# Altium PCB F4AIR.PcbDoc (continued)
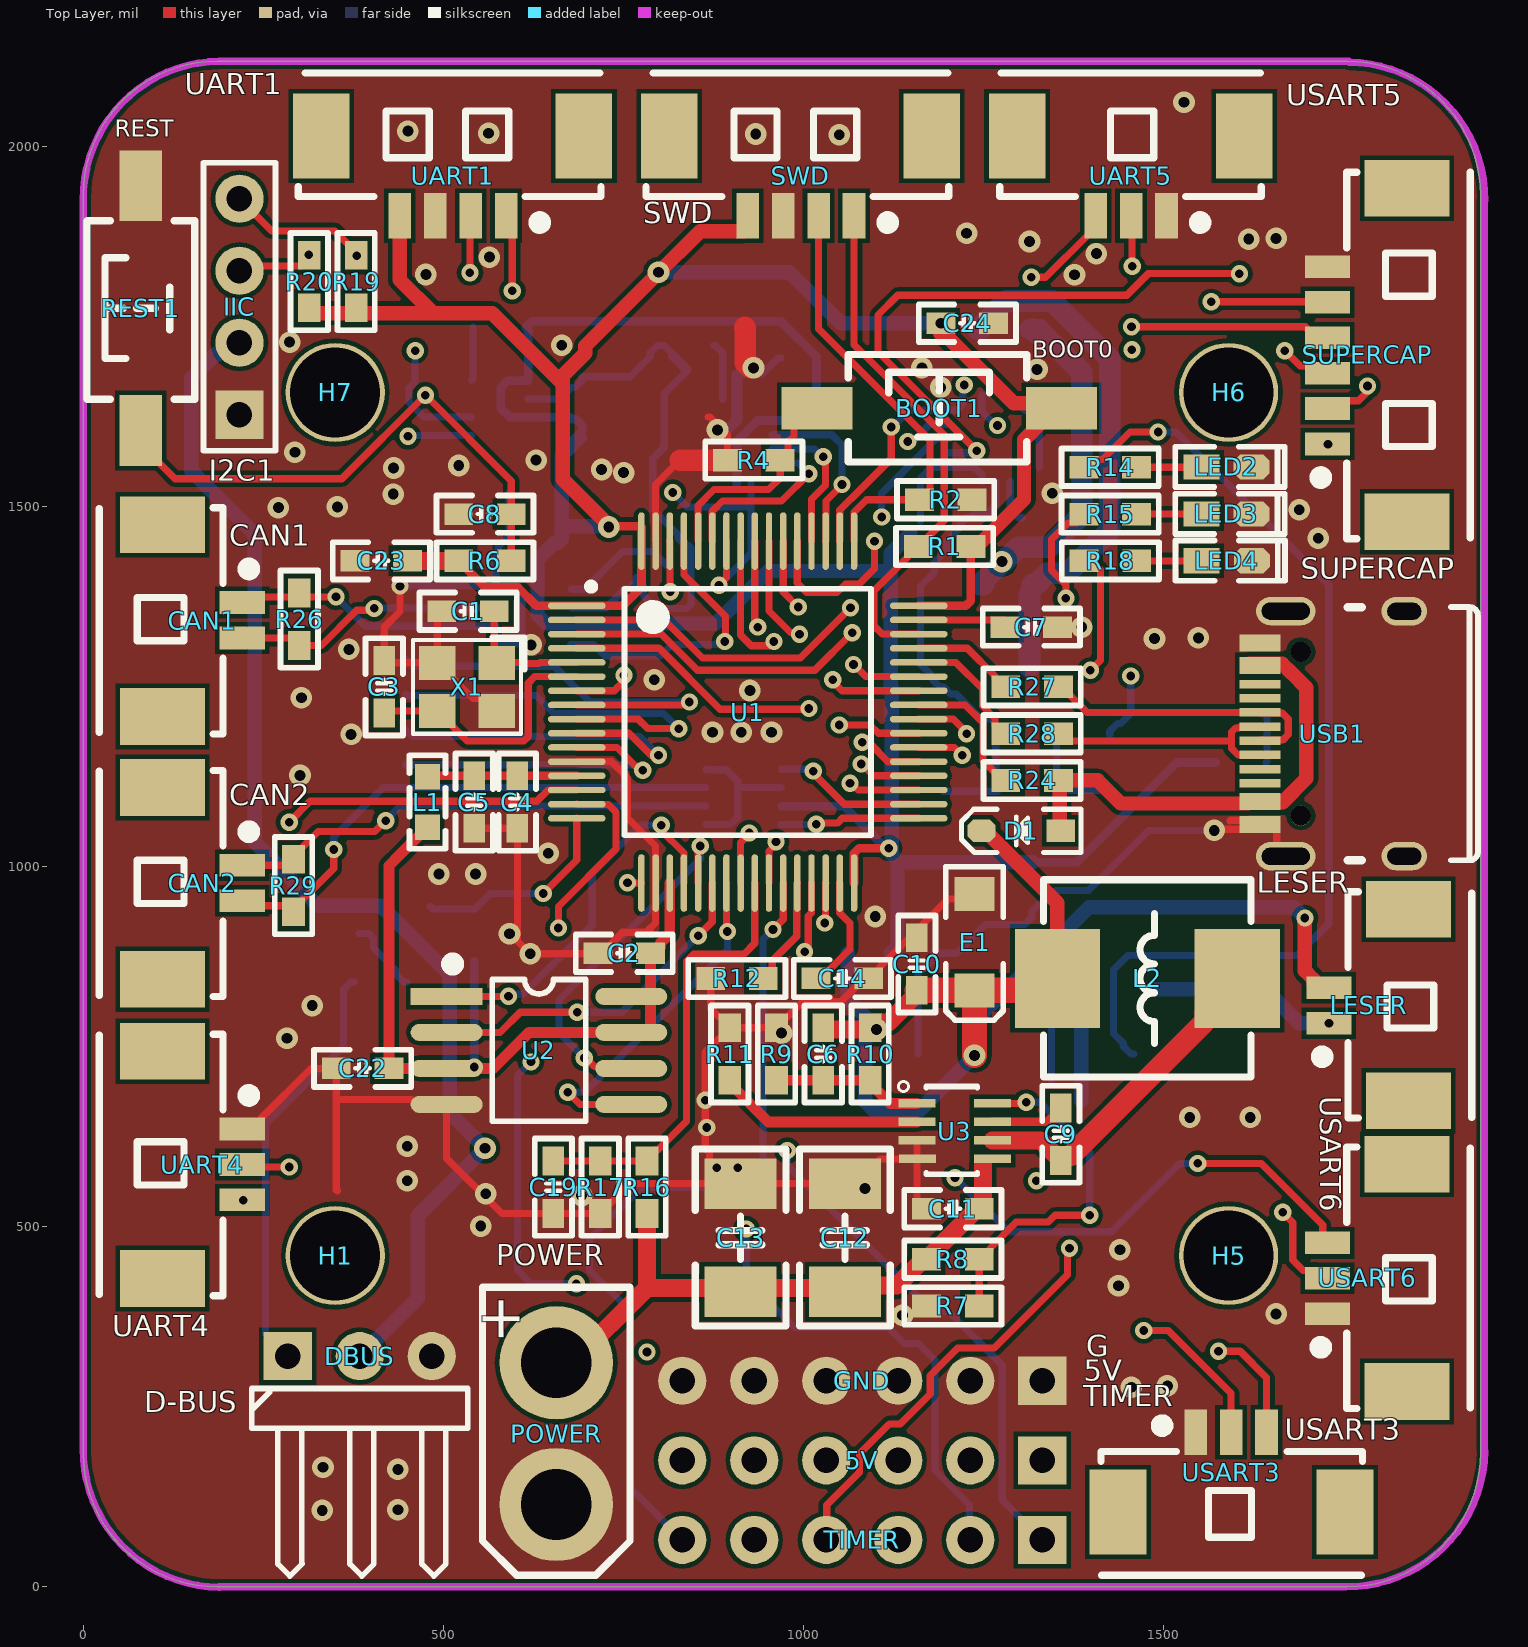
[diagram p0: Top Layer view]
## Footprints (in the part's own frame and the unit in brackets; to place one, negate y for a bottom-side part, rotate by r counter-clockwise, add the part's x,y. Pads: shape width x height; smd on the part's side, far side on the other; paste and mask are expansions set on the pad) (continued)
  silkscreen extent -3.2,-2.5 1.65,3.2, body extent -3,-2.5 3,2.5, height 1.9
SOT23-3M [mm] "3x1.3x1mm(长宽高)"
  rect 0.6x1.4 smd: 1(-0.95,0) 2(0.95,0) 3(0,2.514)
  silkscreen extent -1.78,-0.63 1.5,1.97, body extent -1.5,0.07 1.5,2.47, height 1.05
SOT23-8 [mm]
  rect 0.3x1.3 smd: 1(0,0) 2(-0.652,0) 3(-1.304,0) 4(-1.956,-0.025) 5(-1.956,-2.667) 6(-1.304,-2.667) 7(-0.652,-2.667) 8(0,-2.667)
  silkscreen extent -2.5,-2.13 0.78,0.65, body extent -2.42,-2.7 0.48,0.1, height 1
SOT-89 [mil]
  rect 40x55 smd: 1(-61.82,-0.57) 2(-1.82,-0.57) 3(58.18,-0.57)
  rect 86.61x86.61 smd: 2(-2.76,137.22)
  silkscreen extent -82,39 78,169, body extent -90,-6 87,163, height 59
"TSW SMD-3*6*5" [mm] "3*6*5mm"
  rect 2.5x1.5 smd: 1(-4.318,0) 2(4.318,0)
  silkscreen extent -3.21,-1.9 3.09,1.9, body extent -4.6,-1.75 4.6,1.75, height 5.1
Type-C_16p [mm] "Type-C 母座16p 4"
  oval 1x2.1 hole 0.6 slot 1.7 at 90 deg: 0(-4.325,4.18) 0(4.325,4.18)
  oval 1x1.6 hole 0.6 slot 1.2 at 90 deg: 0(-4.32,0) 0(4.32,0)
  round 0.711 hole 0.711: 1(-2.89,3.65) 1(2.89,3.65)
  rect 0.3x1.45 smd: A1(-3.05,5.095) A4(-2.25,5.095) A5(-1.25,5.095) A6(-0.25,5.095) A7(0.25,5.095) A8(1.25,5.095) A9(2.55,5.095) A12(3.35,5.095) B1(3.05,5.095) B4(2.25,5.095) B5(1.75,5.095) B6(0.75,5.095) B7(-0.75,5.095) B8(-1.75,5.095) B9(-2.55,5.095) B12(-3.35,5.095)
  silkscreen extent -4.47,-2.6 4.47,2, body extent -4.48,-2.64 4.47,5.11, height 3.27
XT30-L [mm]
  round 4 hole 2.5: 1(0,0) 2(5,0)
  silkscreen extent -2.67,-2.6 7.49,2.6

## Part data
5V GND TIMER: library part "Header 6", "6P接插件", BOM名称=6P接插件, 学习资源=www.ooocke.com, 版权归属=源创客
BOOT1 REST1: library part "TSW 3x6", "3x6轻触开关", BOM名称=3x6轻触开关, 学习资源=www.ooocke.com, 版权归属=源创客
C1 C2 C3 C4 C5 C6 C7 C8 C9 C10 C11 C12 C13 C14 C15 C16 C17 C18 C19 C20 C21 C22 C23 C24 C25 C26 C27 C28 C29 C30 C31 C32 C33: library part C, "无极性贴片电容", BOM名称=无极性贴片电容, 学习资源=www.ooocke.com, 版权归属=源创客
D1: library part SS54, "肖特基二极管", BOM名称=肖特基二极管, 学习资源=www.ooocke.com, 属性=40V/3A, 版权归属=源创客
E1: library part C-CD, "贴片钽电容", BOM名称=贴片钽电容, 学习资源=www.ooocke.com, 版权归属=源创客
H1 H5 H6 H7: library part M3, "铜柱孔", BOM名称=铜柱孔, 学习资源=www.ooocke.com, 版权归属=源创客
IIC UART1: library part "HDR 2.54 -4P_1", "HDR 2.54 -4P"
L1: library part L, "小功率贴片电感", BOM名称=小功率贴片电感, 学习资源=www.ooocke.com, 版权归属=源创客
L2: library part L-CD, "贴片功率电感", BOM名称=功率电感, 学习资源=www.ooocke.com, 版权归属=源创客
LED1 LED2 LED3 LED4: library part LED-SMD, "贴片LED", BOM名称=贴片LED, 学习资源=www.ooocke.com, 版权归属=源创客
POWER: library part PAD-2P
Q1 Q2: library part 8050-SMD, "高频放大-NPN型"
R1 R2 R3 R4 R5 R6 R7 R8 R9 R10 R11 R12 R13 R14 R15 R16 R17 R18 R19 R20 R23 R24 R25 R26 R27 R28 R29 R30 R31 R32 R33: library part R, "贴片电阻", BOM名称=贴片电阻, 学习资源=www.ooocke.com, 版权归属=源创客
SUPERCAP: library part "HDR 2.54 -8P", "HDR 2.54 -8P"
SWD: library part "MX 1.25 -4P", "MX 1.25 -4P"
U3: "DCDC降压芯片"
U4: library part AMS1117, "三端稳压芯片", BOM名称=稳压芯片, 学习资源=www.ooocke.com, 版权归属=源创客
U5: "三轴电子罗盘"
U7: library part SPL06
U8 U9: "CAN芯片"
UART4 UART5 USART3 USART6: library part "HDR 2.54 -3P", "HDR 2.54 -3P"
X1: library part XTAL-4P, "4脚无源晶振", BOM名称=4脚无源晶振, 学习资源=www.ooocke.com, 版权归属=源创客

## Via types
v1: diameter 24, hole 12, Top Layer to Bottom Layer, tented both sides, 102 vias
v2: diameter 30, hole 15, Top Layer to Bottom Layer, tented both sides, 80 vias

## Nets (pads, with @x,y where several pads share a name; then routed paths per layer and width w, separated by ;. In a path a pad name is that pad's centre, name@x,y a point inside that pad or via, vN(x,y) a via of type N, cw(c..) or ccw(c..) an arc to the next point about the centre after c; other vN are vias at no path point)
3.3V: BOOT1.2 C2.1 C17.2 C18.1 C20.1 C21.1 C22.1 C23.1 C24.1 C26.2 C27.2 C28.2 C29.2 C30.2 C31.2 C32.2 L1.1 LED1.1 R1.1 R3.2 R6.2 R19.1 R20.2 SWD.4 U1.1 U1.19 U1.32 U1.48 U1.64 U2.3 U2.7 U2.8 U4.2 U5.2 U5.13 U6.1 U6.16 U7.6 U7.8 U8.3 U9.3 UART1.4 | length 7819.6
  Top Layer w12: R6.2 525.75,1425 535.5,1415.25 535.5,1411 558.5,1388 604,1388 629.36,1362.64 U1.1 749.64,1362.64 775.36,1388.36 U1.64 775.36,1471.75 773.86,1473.25 731.26,1473.25 v2(730,1472) ; U1.32 1070.64,1018.97 1077.67,1026 v1(1119,1026) ; U1.48 1225.97,1362.64 1233,1369.67 R1.1 1237.25,1449.25 R1.1@1245.58,1449.25 ; BOOT1.2@1349.32,1633.68 BOOT1.2@1358,1625
  Top Layer w15: L1.1 440,1017 424.5,1001.5 C22.1 U2.3 569,720 619,770 U2.7 782.63,770 788,775.37 C2.1 793,880 802,889 802,894 814.73,906.73 U1.19
  Top Layer w20: R20.2 314,1774.75 319.75,1769 486,1769 ; UART1.4 439.72,1815.28 486,1769 ; v2@731.26,1473.25 666,1538.51 666,1671 ; SWD.4 923.03,1888.6 917.28,1882.85 856.85,1882.85 794,1820 697.5,1723.5 697.5,1713.5 666,1682 666,1671 ; C24.1@1190.5,1741 1191.5,1740 ; 1196.5,1740 1292.5,1644 1328.21,1644 1338.53,1633.68 BOOT1.2@1349.32,1633.68 ; R1.1@1245.58,1449.25 1306.71,1510.38 1306.71,1593.18 1318.79,1605.26 1318.79,1605.47 1338.32,1625 BOOT1.2@1338.53,1625 ; 486,1769 568,1769 666,1671
  Top Layer w25: C23.1@447,1427.5 C23.1@449.5,1425 ; C23.1 C23.1@449.5,1425 ; R6.2 C23.1@449.5,1425
  Power w20: v1(543,722) 543.77,722.77 551.77,722.77 791,962 987,962 1051,1026 v1(1119,1026)
  Bottom Layer w10: C26.2 1163,1540 1178,1555 1189.13,1555 1189.21,1554.92 1202.92,1554.92 U6.1 1238.16,1554.84 1247.25,1545.75 1248.24,1545.75 1248.32,1545.67 U6.16
  Bottom Layer w12: v1(543,722) R3.2 ; C28.2 693,1612.91 684,1621.91 679,1621.91 676.5,1624.41 U7.6 592.59,1624.41 580,1637 580,1666 589.29,1675.29 617.7,1675.29 U7.8 618,1745.91 C30.2 623.09,1758 969,1758 1018.5,1708.5 C32.2 1013.5,1658 1004.5,1649 1004.5,1644 980.49,1619.98 936.71,1619.98 907.96,1591.23 U5.2 ; U9.3 1045.67,1084.33 1046,1084 1056.56,1084 U4.2@1116.78,1023.78 ; C18.1 1380.5,1006.5 1519,1145 LED1.1
  Bottom Layer w20: C28.2@690,1597 664.5,1571.5 C29.2 664.5,1473 ; v2(730,1472) 729,1473 664.5,1473 ; v2(799,1826) 981,1826 1052,1755 v2(1191.5,1755) ; U4.2@1121.92,879.9 1131,888.98 1131,1009.56 1122.86,1017.69 1122.86,1248.64 C21.1 1121.5,1411 ; U4.2@1134.06,1006.5 C18.1 ; C26.2@1149,1463 1121.5,1435.5 1121.5,1411 ; 664.5,1473 C20.1 659.5,1450 654.5,1450 631,1426.5 631,1349.72 642.72,1338 878.43,1338 951.43,1411 1121.5,1411
5V: 5V.1 5V.2 5V.3 5V.4 5V.5 5V.6 C6.1 C10.1 C15.2 C16.1 D1.2 DBUS.2 E1.1 IIC.2 L2.2 LESER.2 R10.1 R32.1 R33.1 U4.3 | length 6406.3
  Top Layer w12: D1.2 D1.2@1253,1050
  Top Layer w20: D1.2@1253,1050 1353,950 L2.2 ; v1(1697,929) 1697,855.45 1708.85,843.6 1708.85,837.81 1714.6,832.06 LESER.2
  Top Layer w25: C6.1 1030.5,774 R10.1@1099.75,774 ; v2(1102,774) R10.1@1099.75,774 ; C10.1 1155.5,826 1155.5,821 1118.5,784 1096.25,784 1093,780.75 R10.1@1099.75,774 ; L2.2@1336.5,828.5 L2.2
  Top Layer w35: C10.1 L2.2@1336.5,828.5 ; v2(1238,738) E1.1
  Singal w20: v2(558,609) 700,609 855,454 ; v1(783,326) 783,382 855,454 ; v2(1102,774) 1102,630 926,454 855,454
  Power w20: v1(783,326) 782.54,325.54 782.54,224.96 5V.6 5V.5 5V.4 5V.3 5V.2 5V.1
  Power w30: v2(1238,738) 1238,1062 1276,1100 v2(1276,1424)
  Bottom Layer w20: IIC.2 204.3,1728 188.42,1712.12 183.12,1712.12 150,1679 150,1550 238,1462 238,1034 326,946 413,946 509,850 509,658 v2(558,609) 464.5,515.5 464.5,400.83 DBUS.2 ; U4.3 1061.92,816.08 C15.2 1086.5,791.5 1086.5,673.72 1098.22,662 1162,662 v2(1238,738) 1238,785 1397,944 1682,944 v1(1697,929)
  Bottom Layer w30: R32.1 1249.75,1392 1250.5,1392.75 1250.5,1397 v2@1277.5,1424 ; v2(1276,1424) v2@1277.5,1424 ; v2@1284.25,1430.75 v2@1277.5,1424 ; R33.1 1319.75,1747 R33.1@1329.5,1737.25 ; R33.1@1328.25,1745.75 1387,1687 1387,1489 1342,1444 1299,1444 1279,1424 v2@1277.5,1424
ADC15: C19.1 R16.2 R17.1 U1.25 | length 621.6
  Top Layer w10: C19.1 R17.1 R16.2 783,595.75 793.75,606.5 798,606.5 838,646.5 838,869.14 847.86,879 918,879 932.84,893.84 U1.25
BAT: C11.1 C12.2 C13.2 POWER.1 R8.1 R16.1 U3.5 | length 854.7
  Top Layer w25: POWER.1 679.06,311.06 783,415 ; R16.1 783,415 ; 1249.5,587.33 1249.5,525 1239.5,525 1237,522.5 1237,520.5 1179,462.5 1179,458.25 1175.75,455 R8.1 1168.25,451.75 1164,451.75 1130.48,418.23 1066.23,418.23 C12.2 1053,415 783,415
BOOT0: BOOT1.1 R4.1 U1.60 | length 295.6
  Top Layer w10: U1.60 854.1,1502.1 876,1524 952,1524 968.11,1540.11 968.11,1560.86 978.75,1571.5 978.75,1589.89 987.19,1598.33 987.19,1612.47 999.72,1625 BOOT1.1@1018,1625
CAN1-RX: U1.61 U8.4 | length 392.6
  Top Layer w10: U1.61 834.42,1405.58 892,1348 892,1314 v1(891.04,1313)
  Bottom Layer w10: U8.4 677.19,1308.48 709.52,1308.48 725,1293 802,1293 817.79,1308.79 877.14,1308.79 877.68,1309.32 887.36,1309.32 v1(891.04,1313)
CAN1-TX: U1.62 U8.1 | length 272.3
  Top Layer w10: U1.62 815.13,1452.12 815.13,1382.4 v1(815.53,1382)
  Bottom Layer w10: U8.1 697.69,1385.67 698.59,1386.57 698.59,1387.59 749,1438 791,1438 815,1414 815,1382.53 v1(815.53,1382)
CAN1_H: CAN1.2 R26.2 U8.7 | length 378.4
  Top Layer w10: CAN1.2 289.56,1317.94 R26.2 330.75,1307.5 379.57,1356.32 401.32,1356.32 v1(404,1359)
  Bottom Layer w10: v1(404,1359) 404.5,1359.5 572.5,1359.5 U8.7
CAN1_L: CAN1.1 R26.1 U8.6 | length 372.4
  Top Layer w10: CAN1.1 228.5,1375 v1(351,1375)
  Bottom Layer w10: v1(351,1375) 391.67,1334.33 U8.6
CAN2-RX: U1.33 U9.4 | length 189.7
  Top Layer w10: v1@1022.68,1060.68 1047.68,1060.68 1054.36,1067.36 U1.33
  Bottom Layer w10: U9.4 1017.67,1058.67 v1(1018,1059)
CAN2-TX: U1.34 U9.1 | length 220.2
  Top Layer w10: v1(1014,1133) 1019,1133 1019.68,1132.32 1019.68,1124.32 1056.95,1087.05 U1.34
  Bottom Layer w10: U9.1 1016.33,1135.67 1014,1133.33 v1(1014,1133)
CAN2_H: CAN2.2 R29.2 U9.7 | length 750.3
  Top Layer w10: CAN2.2 227.59,946 283.5,946 R29.2 292,941.75 348,997.75 v1(348,1024)
  Bottom Layer w10: v1(348,1024) 348,1041.53 416.47,1110 U9.7
CAN2_L: CAN2.1 R29.1 U9.6 | length 680.9
  Top Layer w10: CAN2.1 283.65,1002.15 R29.1 292,1014.75 326.25,1049 405,1049 v1(420,1064)
  Bottom Layer w10: v1(420,1064) 440.33,1084.33 U9.6
CS-FLASH: U1.20 U2.1 | length 532.6
  Top Layer w10: U2.1 590.41,820 v1(590.71,820.29) ; v1(803,1058) 803,1050.47 834.42,1019.06 U1.20
  Bottom Layer w10: v1(590.71,820.29) 593.39,822.97 610.97,822.97 707,919 707,991 774,1058 v1(803,1058)
CS-ICM: SUPERCAP.4 U1.50 U6.5 | length 872.7
  Top Layer w10: U1.50 1050.95,1495.58 1081.37,1526 1122.24,1566.86 v1(1122.24,1611) ; v1(1456.15,1750.29) 1697.37,1750.29 1712.6,1735.06 SUPERCAP.4
  Singal w10: v1(1223.83,1669.4) 1304.72,1750.29 v1(1456.15,1750.29)
  Bottom Layer w10: v1(1122.24,1611) 1124,1611 1147.37,1634.37 U6.5 1213.67,1634.37 1221.7,1642.4 1221.7,1667.27 v1(1223.83,1669.4)
GND: C1.1 C2.2 C3.1 C4.2 C5.2 C7.2 C8.1 C10.2 C11.2 C12.1 C13.1 C14.1 C15.1 C16.2 C17.1 C18.2 C19.2 C20.2 C21.2 C22.2 C23.2 C24.2 C25.2 C26.1 C27.1 C28.1 C29.1 C30.1 C31.1 C32.1 C33.1 DBUS.3 E1.2 GND.1 GND.2 GND.3 GND.4 GND.5 GND.6 IIC.1 LED2.2 LED3.2 LED4.2 POWER.2 Q1.2 Q2.2 Q3.2 R2.1 R4.2 R7.2 R9.2 R11.2 R12.1 R13.2 R17.2 R23.1 R31.1 REST1.2 SUPERCAP.6 SWD.3 U1.12 U1.18 U1.63 U2.4 U3.3 U3.4 U4.1 U5.9 U5.11 U6.8 U6.9 U6.10 U6.11 U6.12 U6.13 U6.15 U7.1 U7.7 U8.2 U8.5 U8.8 U9.2 U9.5 U9.8 UART1.3 UART4.1 UART5.1 USART3.1 USART6.1 USB1.0 USB1.A1 USB1.A12 USB1.B1 USB1.B12 X1.2 X1.4 | length 7735.6
  Top Layer w10: UART4.1 236.4,635.76 247.15,646.5 247.15,650.65 316.5,720 C22.2 351.5,677 ; 353,550 351.5,551.5 351.5,677 ; v1(440,1390) 440,1354.86 418,1332.86 C3.1 421.04,1283.46 X1.2 ; C1.1 491.66,1348.66 X1.2 ; C5.2 C4.2 603,897 v2(620.86,879.14) 714.14,879.14 C2.2 725,890 730.5,890 749.5,909 782,909 795.05,922.05 U1.18 795.05,1028.95 756,1068 756,1122.47 754,1124.47 754,1126 733.9,1146.1 U1.12 ; X1.4 557,1233.87 541.25,1233.87 512.25,1262.87 512.25,1264.84 493.63,1283.46 X1.2 ; U1.63 795.05,1531.05 829,1565 ; 868,1625 870.47,1625 v2@884.72,1610.75 ; R12.1 871.5,803 883,791.5 887.25,791.5 898,780.75 R11.2 ; v2(880.96,1607) v2@884.72,1610.75 ; R4.2 895,1600.47 v2@884.72,1610.75 ; v2(1138,377) 1140.25,379.25 1160.75,379.25 R7.2 ; U3.3 U3.4@1158,594.33 ; U3.4 U3.4@1158,594.33 ; C11.2 1168,525 1158,535 U3.4@1158,594.33 ; E1.2 1231.37,955.3 1201.3,955.3 1106,860 1106,855 1096,845 C14.1 1081,835 1075,835 1053,813 999.5,813 978,791.5 973.75,791.5 963,780.75 R9.2 R11.2 ; v2(1571,1050.65) 1572.48,1052.13 USB1.B12@1626,1052.13 ; 1593,1064 1593.84,1064.84 USB1.A1@1628.72,1064.84 ; USB1.A1 USB1.A1@1628.72,1064.84 ; USB1.0@1670.43,1014.65 1657.95,1027.13 1657.95,1052.13 1657.05,1053.03 USB1.B12 1633.5,1052.13 USB1.B12@1626,1052.13 ; 351.5,677 455.86,677 462.86,670 U2.4 504.73,595.27 581.5,518.5 C19.2 R17.2 718,522.75 728.75,533.5 733,533.5 759.5,560 C13.1@899.89,560 ; R11.2 898,772.25 887.25,761.5 883,761.5 864,742.5 v1(864,675.75) 864,609 869.89,603.11 869.89,590 C13.1@899.89,560 ; C13.1@899.89,560 C13.1 C12.1 1073,560 1107.33,594.33 U3.4@1158,594.33 ; USB1.B12@1626,1052.13 1627.81,1053.94 1627.81,1063.94 USB1.A1@1628.72,1064.84
  Top Layer w30: 829,1565 R4.2 ; 918.94,1749.35 919.69,1748.6 919.69,1700.31 927,1693 v2(931,1693)
  Power w10: GND.6 GND.5 GND.4 GND.3 ; v2(1138,377) 1135,374 1135,289 GND.3 ; GND.1 GND.2 GND.3
  Bottom Layer w10: v1(440,1390) 548.98,1390 553.32,1385.67 U8.8 ; U7.1 541.5,1677.83 C30.1 ; U8.5 573.91,1309.57 602.14,1309.57 609.59,1317.02 609.59,1377.31 602.14,1384.76 573.91,1384.76 U8.8 ; C29.1 C20.2 586.5,1455 576.5,1445 576.5,1440 573,1436.5 U8.8 ; U7.7 662.09,1650 678,1665.91 683,1665.91 693,1675.91 C28.1 759.41,1680.91 787.5,1709 787.5,1714 797.5,1724 C33.1 807.5,1724 C33.1@817.5,1714 ; U8.2 726.5,1360 753,1386.5 758,1386.5 768,1396.5 C27.1 778,1391.5 778,1377 796,1359 838.14,1359 844,1364.86 844,1443.5 841.5,1446 836.5,1446 826.5,1456 826.5,1461 791,1496.5 791,1567 807,1583 807,1657.05 838.22,1688.28 817.5,1709 C33.1@817.5,1714 ; 840.72,1690.78 C33.1@817.5,1714 ; U9.5 898.67,1058.67 909,1069 909,1110 ; U9.8 865.91,1134.76 893.24,1134.76 909,1119 909,1110 ; 907.96,1683.78 942.22,1683.78 965.45,1707 969,1707 ; U9.2 909,1110 ; C16.2 1159.5,851.54 1165.36,857.4 1166.92,857.4 1181.92,872.4 U4.1 1212.9,879.9 C17.1 1308,920 1318,930 C18.2 1318,938.5 1328,948.5 1333,948.5 1351.5,967 1396,967 1479.65,1050.65 v2(1571,1050.65) ; C31.1 1269.5,1105 1267.6,1106.9 1267.6,1198.48 1260.79,1205.29 1247.31,1205.29 1212.6,1240 1204.5,1240 C21.2 1189.5,1250 1179.5,1260 1179.5,1265 1163,1281.5 C26.1 1181.61,1408.61 1181.61,1422.61 1199,1440 1199,1452.5 1216.5,1470 1216.5,1475 1226.5,1485 C25.2 1240.36,1493.86 1258.86,1493.86 1268,1503 U6.15 ; U6.8 1287.69,1644.33 1287.76,1644.25 1298.43,1644.25 1308.32,1634.37 U6.9 U6.10 U6.11 U6.12 U6.13@1328,1554.85 ; 1345,698 1345,854 1351.48,860.48 1377.22,860.48 Q2.2
  Bottom Layer w15: v2(880.96,1607) 883.83,1609.87 897.23,1609.87 907.96,1620.61 U5.11 907.96,1683.78
  other v1: 880,582 909,582 866,638
  other v2: 332,106 437,107 437,163 333,166 1456,277 1506,279 1657,379 1438,418 1440,468 552,501 692.25,543.5 559,546 1086,553 450,564 450,612 1537.02,652 1621,652 283,762 970,769 317.99,807.3 592,907 1100,931 494,990 545,990 646,1019 301,1127 372,1184 874,1187 914,1187 956,1187 303,1235 926,1245 793,1260 369,1302 621.97,1308.34 1488,1317 1549,1318 1387,1333 1715.39,1456.38 1689,1496 271,1499 353,1500 430.68,1517.79 1346,1519 750.62,1547.62 720,1552 431,1554 521.5,1557.5 629,1565 294,1576 1191,1666 1325,1691 1165,1693 664.58,1724.42 286.58,1728.89 1376.85,1822.35 475.99,1822.85 564.15,1847 1407.34,1851.85 1314.35,1868.61 1619,1872 1657,1873 1227,1880 1050,2017 934,2018 563,2019 451,2022 1529,2062
GPIO0: GPIO.1 U1.8 | length 577.5
  Top Layer w10: U1.8 834.05,1224.84 838.21,1229 v1(842,1229)
  Bottom Layer w10: GPIO.1 458.49,1278.61 654.39,1278.61 704,1229 v1(842,1229)
GPIO1: GPIO.2 U1.9 | length 546.2
  Top Layer w10: U1.9 770.84,1205.16 784,1192 v1(827,1192)
  Bottom Layer w10: GPIO.2 449.89,1238 629,1238 654,1213 806,1213 v1(827,1192)
GPIO2: GPIO.3 U1.10 | length 492.3
  Top Layer w10: U1.10 758.05,1185.47 788.53,1155 v1(799,1155)
  Bottom Layer w10: GPIO.3 457.68,1181 773,1181 v1(799,1155)
GPIO3: GPIO.4 U1.11 | length 442.7
  Top Layer w10: U1.11 741.21,1165.79 776.95,1130.05 777,1130.1 v1(777,1134)
  Bottom Layer w10: GPIO.4 765.49,1141.72 773.21,1134 v1(777,1134)
I2C1-SCL: IIC.3 R20.1 U1.58 U5.1 U7.4 | length 1248
  Top Layer w10: IIC.3 223.5,1834.5 303.25,1834.5 R20.1@314,1845.25 ; v1(883,1391) 893.47,1401.47 U1.58
  Singal w10: v1(313,1850) 313,1808.99 451,1670.99 v1(451,1598) 451,1591.23 522.23,1520 v1(819,1520)
  Bottom Layer w10: v1(451,1598) 452,1599 539.08,1599 U7.4 ; v1(819,1520) 839,1500 927.65,1500 ; v1(883,1391) 927.65,1435.65 927.65,1500 ; U5.1 927.65,1500
I2C1-SDA: IIC.4 R19.2 U1.59 U5.16 U7.3 | length 1401.3
  Top Layer w10: IIC.4 261.65,1883.35 349.41,1883.35 R19.2@379,1853.75 ; U1.59 873.79,1493.79 888,1508 970,1508 v1(1008,1546)
  Singal w10: v1(380,1849) 380,1798 v1(461,1717) 635.23,1717 653.81,1698.42 855.58,1698.42 v1(1008,1546)
  Bottom Layer w10: v1(461,1717) 461,1673.53 452.26,1664.79 452.26,1645.74 473,1625 537.85,1625 538.85,1624 U7.3 ; U5.16 993.08,1560.92 v1(1008,1546)
ICM-INIT: SUPERCAP.5 U1.24 U6.6 | length 1434.7
  Top Layer w10: U1.24 913.16,1033.88 925,1045.72 v1(925,1047) ; v1(1567,1785) 1725.62,1785 1726.62,1786 SUPERCAP.5
  Singal w10: v1(1270,1613) 1270.63,1613.63 1297,1613.63 1335.37,1652 1422.91,1652 1555.91,1785 v1(1567,1785)
  Power w10: v1(925,1047) 970,1092 1087,1092 1188,1193 1188,1492.47 1270,1574.47 v1(1270,1613)
  Bottom Layer w10: U6.6 1248.32,1632.68 1268,1613 v1(1270,1613)
IST_DRDY: U1.52 U5.15 | length 201.7
  Top Layer w10: U1.52 1011.58,1510.58 1031,1530 1031,1566.47 v1(1027.74,1569.74)
  Bottom Layer w10: U5.15 1014.88,1580.61 1025.76,1569.74 v1(1027.74,1569.74)
IST_RST: U1.51 U5.14 | length 245.6
  Top Layer w10: U1.51 1031.77,1453.02 1031.77,1508.14 1054,1530.37 v1(1054,1531.15)
  Bottom Layer w10: U5.14 1039.71,1600.29 1054,1586 v1(1054,1531.15)
LED-B: R18.2 U1.4 | length 952.1
  Top Layer w10: U1.4 799.94,1303.58 884.53,1219 1012.21,1219 1013.21,1220 v1(1008,1220) ; R18.2@1393.01,1425.26 1400.5,1425.26 1413,1412.76 1413,1287 v1(1399,1273)
  Singal w10: v1(1008,1220) 1276.75,1220 1329.75,1273 v1(1399,1273)
LED-G: R15.2 U1.3 | length 896.3
  Top Layer w10: U1.3 802.89,1323.27 853.15,1273 1016,1273 v1(1068,1325) ; v1(1365,1373) 1365,1392 1345,1412 1345,1455 1367.76,1477.76 1380.51,1477.76 R15.2@1393.01,1490.26
  Singal w10: v1(1068,1325) 1118,1375 1120,1373 v1(1365,1373)
LED-R: R14.2 R25.1 U1.2 | length 2332.4
  Top Layer w10: U1.2 807.08,1342.95 860.03,1290 996,1290 v1(1065.74,1359.74) ; R14.2@1393,1555 1403.75,1565.75 1415.75,1565.75 1454,1604 v1(1493,1604)
  Singal w10: v1(1065.74,1359.74) 1310,1604 v1(1493,1604)
  Bottom Layer w10: R25.1 1455.25,740 1444.5,750.75 1444.5,755 1431,768.5 1431,857 1451,877 1686,877 1730,921 1730,1392 1518,1604 v1(1493,1604)
NetC1_2: C1.2 U1.5 X1.1 | length 185.5
  Top Layer w10: C1.2 571,1286.8 X1.1 574.77,1283.9 609.65,1283.9 611.2,1282.34 632.74,1282.34 634.3,1283.9 U1.5
NetC3_2: C3.2 U1.6 X1.3 | length 367.5
  Top Layer w10: C3.2 421.04,1216.54 X1.3 493.63,1216.54 512.25,1197.91 512.25,1195.94 533.2,1175 612.14,1175 618,1180.86 618,1255 627.21,1264.21 U1.6
NetC4_1: C4.1 C5.1 L1.2 U1.13 | length 208.1
  Top Layer w10: L1.2 L1.2@479.42,1126.42
  Top Layer w12: L1.2@479.42,1126.42 543,1126.42 603,1126.42 U1.13
NetC6_2: C6.2 R9.1 R10.2 U3.1 | length 210.8
  Top Layer w15: R9.1 C6.2 R10.2 1093,699.25 1120.91,671.33 U3.1
NetC7_1: C7.1 U1.47 | length 118.9
  Top Layer w10: U1.47 C7.1@1279.45,1342.95
NetC9_1: C9.1 L2.1 U3.6 | length 463.1
  Top Layer w25: U3.6 1330,620 C9.1 ; C9.1@1358,597 1360.5,599.5 C9.1@1372.5,599.5 ; L2.1@1556.45,783.44 1556.45,798.44 L2.1
  Top Layer w30: C9.1@1372.5,599.5 L2.1@1556.45,783.44
NetC9_2: C9.2 U3.7 | length 105.9
  Top Layer w12: U3.7 1338.67,645.67 1344,651 1349,651 1358,660 C9.2
NetC14_2: C14.2 U1.31 | length 161.6
  Top Layer w10: C14.2 1024.53,845 1065,885.47 1065,921.76 1050.95,935.81 U1.31
NetC25_1: C25.1 U6.14 | length 59.9
  Bottom Layer w10: U6.14 1287.69,1501.81 1289.5,1500 1289.5,1495 1299.5,1485 C25.1
NetC33_2: C33.2 U5.10 | length 81.4
  Bottom Layer w10: C33.2 878.28,1724 888.28,1714 U5.10
NetDBUS_1: DBUS.1 R5.1 | length 586.2
  Bottom Layer w10: DBUS.1 253,351.33 253,642.11 361.5,750.61 361.5,829.25 372.25,840 R5.1
NetLED1_2: LED1.2 R13.1 | length 70.6
  Bottom Layer w10: LED1.2 1644.5,1146.5 R13.1
NetLED2_1: LED2.1 R14.1 | length 90.2
  Top Layer w10: R14.1 1552.49,1555 LED2.1
NetLED3_1: LED3.1 R15.1 | length 90.1
  Top Layer w10: R15.1 1552.75,1490 LED3.1
NetLED4_1: LED4.1 R18.1 | length 90.1
  Top Layer w10: R18.1 1553.01,1425 LED4.1
NetLESER_1: LESER.1 Q2.3 | length 266.8
  Bottom Layer w20: Q2.3 1606,829.89 1617.04,818.85 1653.15,818.85 1689.15,782.85 v1(1730.35,782.85)
NetQ1_1: Q1.1 R5.2 | length 105.5
  Bottom Layer w10: Q1.1 396.48,907.6 403.29,900.79 403.29,887.31 434.5,856.1 434.5,850.75 445.25,840 R5.2
NetQ2_1: Q2.1 R23.2 R25.2 | length 118.7
  Bottom Layer w10: Q2.1 Q2.1@1386.5,790.01
  Bottom Layer w20: R23.2 1386.25,675.25 1386.25,739.75 R25.2 Q2.1@1386.5,790.01
NetQ3_1: Q3.1 R30.2 R31.2 | length 147.7
  Bottom Layer w10: Q3.1 1351.8,1108.7 R31.2 1421,1106 R30.2
NetQ3_3: Q3.3 R32.2 R33.2 | length 714
  Bottom Layer w30: R33.2 R33.2@1246.75,1747 ; R33.2@1243.56,1748.06 1281.5,1786 1346,1786 1426,1706 1426,1467 1367,1408 1338.75,1408 1323.5,1392.75 1319.25,1392.75 R32.2 ; Q3.3 R32.2@1314.4,1378.9
NetR7_1: R7.1 R8.2 U3.8 | length 498.5
  Top Layer w10: R7.1 R8.2 1248.75,455 1259.5,465.75 1259.5,470 1295.97,506.47 1340.33,506.47 1349.86,516 v1(1398,516) ; U3.8 1308.33,671.33 v1(1310,673)
  Bottom Layer w10: v1(1310,673) 1329,673 1398,604 v1(1398,516)
NetR11_1: R11.1 U3.2 | length 286.4
  Top Layer w15: R11.1 898,699.25 951.58,645.67 U3.2
NetR12_2: R12.2 U1.28 | length 153.1
  Top Layer w10: R12.2 946.22,845 956.97,855.75 956.97,869.49 991,903.53 991,976.58 U1.28
REST: C8.2 R6.1 REST1.1 U1.7 | length 1611.9
  Top Layer w10: REST1.1 80,1586.32 127.32,1539 359,1539 v1(475.26,1655.26) 594.5,1536.03 C8.2 R6.1 ; U1.7 737.53,1244.53 751,1258 v1(751,1266)
  Singal w10: v1(475.26,1655.26) 477.53,1653 782,1653 858,1577 858,1480 751,1373 v1(751,1266)
SPI1-MISO: U1.22 U2.2 | length 485.2
  Top Layer w10: U2.2 579,770 607,798 v1(686,798) ; v1@855,905 873.79,923.79 U1.22
  Bottom Layer w10: v1(686,798) 747.9,798 v1(854.08,904.19)
SPI1-MOSI: U1.23 U2.5 | length 492.2
  Top Layer w10: v1(673,687) 690,670 U2.5 ; U1.23 893.47,911.53 v1(894.74,910.26)
  Bottom Layer w10: v1(673,687) 697,687 894.74,884.74 v1(894.74,910.26)
SPI1-SCK: U1.21 U2.6 | length 514.5
  Top Layer w10: v1(696,734.5) 698.05,734.5 709.95,722.61 758.66,722.61 U2.6 ; U1.21 854.1,1021.31 857.35,1024.56 857,1024.91 v1(857,1029)
  Bottom Layer w10: v1(696,734.5) 661,769.5 661,815 856.91,1010.91 856.91,1028.91 v1(857,1029)
SPI3-MISO: SUPERCAP.3 U1.56 U6.4 | length 1390.8
  Top Layer w10: U1.56 932.84,1340.95 937,1336.79 v1(937,1333) ; v1(1669,1717) 1690.02,1695.98 1718.22,1695.98 SUPERCAP.3
  Singal w10: v1(937,1333) 937,1379.53 1145.24,1587.76 1145.24,1658.76 1124,1680 1124,1753 1158,1787 1472,1787 1504,1819 1567,1819 v1(1669,1717)
  Bottom Layer w10: v1(1145.24,1590.76) 1151.76,1590.76 1175.69,1614.68 U6.4
SPI3-MOSI: SUPERCAP.2 U1.57 U6.3 | length 1534.4
  Top Layer w10: U1.57 913.16,1321.84 928,1307 953.36,1307 v1(959.36,1313) ; SUPERCAP.2 1739.1,1647.39 1771.6,1647.39 1784,1659.79 v1(1784,1668)
  Singal w10: v1(959.36,1313) 959.36,1315.22 970,1325.86 970,1371 1012,1413 1027.28,1413 1089.54,1475.26 1094.47,1475.26 1105.21,1486 v1(1109,1486) 1109,1522 1305.25,1718.25 v1(1456.64,1718.26)
  Power w10: v1(1456.64,1718.26) 1497.38,1759 1729,1759 1784,1704 v1(1784,1668)
  Bottom Layer w10: v1(1109,1486) 1109,1519 1170,1580 1185,1595 U6.3
SPI3-SCK: SUPERCAP.1 U1.55 U6.2 | length 1649.1
  Top Layer w10: U1.55 952.53,1355.47 982.32,1325.68 992.32,1325.68 v1(995,1323) ; v1(1241,1578) 1104,1715 1104,1766.55 1131.45,1794 1449.41,1794 1479.41,1824 v1(1606,1824)
  Singal w10: v1(995,1323) 1101.26,1429.26 1108.59,1429.26 1238.32,1558.98 1238.32,1573.32 v1@1244.32,1579.32 ; v1(1606,1824) 1664,1824 1729,1759 v1(1729,1587)
  Bottom Layer w10: U6.2 1203.08,1575.24 1234.45,1575.24 1237.21,1578 v1(1241,1578)
SWCLK: R2.2 SWD.2 U1.49 | length 604.7
  Top Layer w10: SWD.2 1021.45,1747.55 1176,1593 1176,1520.75 1165.25,1510 1088,1510 1070.64,1492.64 U1.49
SWDIO: R1.2 SWD.1 U1.46 | length 734.2
  Top Layer w10: SWD.1 1070.67,1725.33 1099,1697 1196,1600 1196,1481 1175,1460 1175,1455.75 1164.25,1445 R1.2 1155.75,1445 1145,1434.25 1145,1430 1098,1383 1098,1335 1109.73,1323.27 U1.46
TIM2-CH4: R30.1 U1.17 | length 1067.6
  Top Layer w10: v1(756,978) 756.52,977.48 U1.17
  Singal w10: v1(756,978) 756,1057 801,1102 940,1102 984,1146 984,1236 997,1249 1014,1249 1026,1237 1271.12,1237 1330.12,1296 1424,1296 v1(1455,1265)
  Bottom Layer w10: R30.1 1426,1188.25 1436.75,1199 1441,1199 1455,1213 v1(1455,1265)
TIM3-CH3: TIMER.5 U1.26 | length 1439.3
  Top Layer w10: U1.26 952.53,1021.9 962.17,1031.55 v1(962.17,1034.76)
  Singal w10: v1(622,729) 622,777 789,944 870,944 960.76,1034.76 v1(962.17,1034.76) ; v1(685,421) 756.02,349.98 756.02,175.98 812,120 877,120 TIMER.5
  Bottom Layer w10: v1(622,729) 603,710 603,440 622,421 v1(685,421)
TIM3-CH4: TIMER.6 U1.27 | length 1164.1
  Top Layer w10: v1(958,913) 972.21,927.21 U1.27
  Bottom Layer w10: TIMER.6 760,137 760,383 703,440 703,483 775,555 923,555 944,576 944,899 v1(958,913)
TIM8-CH3: TIMER.3 U1.39 | length 1477.1
  Top Layer w10: v1(1050,1197) 1093,1197 1104.53,1185.47 U1.39
  Singal w10: v1(1050,1197) 1093,1197 1279,1011 1279,610 1301,588 1301,547.25 1290.09,536.33 1290.09,535.5 1276.46,521.88 1276.46,157.08 1235.87,116.49 1183.49,116.49 TIMER.3
TIM8-CH4: TIMER.4 U1.40 | length 1435.2
  Top Layer w10: TIMER.4 1032.85,65.85 1032.85,113.46 1078.24,158.86 1078.24,184.62 1119.72,226.1 1134.98,226.1 1176.46,267.58 1176.46,293.35 1214.64,331.52 1265.52,331.52 1367.32,433.32 1367.32,467.32 v1(1370,470) ; U1.40 1208.84,1205.16 1227,1187 v1(1227,1185)
  Singal w10: v1(1227,1185) 1229,1185 1369,1045 1369,471 v1(1370,470)
TIM12-CH1: TIMER.1 U1.35 | length 1345.3
  Top Layer w10: v1(1065,1116) 1067,1116 1076.27,1106.73 U1.35
  Singal w10: v1(978,606) 1058,686 1058,948.4 1061,951.4 1061,1103.14 1062.32,1104.46 1062.32,1113.32 v1(1065,1116)
  Bottom Layer w10: v1(978,606) 978,585 1180.85,382.15 1201.85,382.15 1276.46,307.54 1276.46,120.54 TIMER.1
TIM12-CH2: TIMER.2 U1.36 | length 1455.8
  Top Layer w10: v1(1080.64,1142.79) 1081.21,1142.79 1097.58,1126.42 U1.36
  Singal w10: v1(921,497) 921,500 1077,656 1077,762.23 1074,765.23 1074,941.77 1077,944.77 1077,1087 1088,1098 1088,1131.64 1080.64,1139 v1(1080.64,1142.79)
  Bottom Layer w10: v1(921,497) 921,427 988,360 1118.23,360 1140.23,338 1160,338 1183,315 1183,161.62 1231.15,113.46 1231.15,65.85 TIMER.2
UART1-RX: U1.43 UART1.1 | length 1007.2
  Top Layer w10: UART1.1 596,1895.71 v1(596,1800) ; v1(1070,1281) 1086.79,1264.21 U1.43
  Power w10: v1(596,1800) 634,1762 678,1762 707,1733 707,1685 823,1569 894,1569 1093,1370 1093,1304 v1(1070,1281)
UART1-TX: U1.42 UART1.2 | length 1039.8
  Top Layer w10: v1(537.1,1825.35) 537.1,1903.29 UART1.2 ; v1(1041,1260) 1042.39,1258.61 1042.39,1256 1053.86,1244.53 U1.42
  Power w10: v1(537.1,1825.35) 538,1824.44 538,1797 729,1606 785,1550 885.37,1550 1041,1394.37 v1(1041,1260)
UART2: Q1.3 R3.1 U1.16 | length 291.4
  Top Layer w10: v1(639,963) 685.48,1009.48 U1.16
  Bottom Layer w10: Q1.3 485.48,941.5 R3.1 543.5,941 565.5,963 v1(639,963)
UART4-RX: U1.15 UART4.2 | length 851
  Top Layer w10: UART4.2 224.2,583 v1(286,583) ; v1(660,915) 660,945 740,1025 740,1075.69 729.14,1086.55 685.98,1086.55 U1.15
  Singal w10: v1(286,583) 546.29,843.29 621.78,843.29 660,881.51 v1(660,915)
UART4-TX: U1.14 UART4.3 | length 969.5
  Top Layer w10: v1(286,1062) 315,1091 630,1091 645.73,1106.73 U1.14
  Singal w10: v1(222,537) 222,767.5 286,831.5 v1(286,1062)
UART5-RX: U1.54 UART5.2 | length 1180
  Top Layer w10: U1.54 972.21,1381.79 v1(993,1361) ; UART5.2 1456.98,1902.91 v1(1456.98,1834.1)
  Power w10: v1(993,1361) 1022,1332 1022,1289 1007,1274 1007,1258 1036,1229 1120,1229 1143,1252 1143,1551 1423.42,1831.42 1454.3,1831.42 v1(1456.98,1834.1)
UART5-TX: U1.53 UART5.3 | length 900.8
  Top Layer w10: U1.53 991.9,1394.1 1005,1381 1047,1381 1059,1393 1078,1393 1099.07,1414.07 v1(1099.07,1452.26) ; v1(1317,1819) 1336.73,1819 1395.58,1877.85 1406.33,1888.6 UART5.3
  Power w10: v1(1099.07,1452.26) 1099.07,1456.04 1086,1469.11 1086,1718 1187,1819 v1(1317,1819)
USART3-RX: U1.30 USART3.2 | length 1076.6
  Top Layer w10: v1(1030,922) 1031.08,923.08 1031.08,977.29 U1.30 ; v1(1473,356) 1507.2,356 1594.46,268.75 USART3.2
  Power w10: v1(1030,922) 1030,885 1053,862 1053,675 1372,356 v1(1473,356)
USART3-TX: U1.29 USART3.3 | length 1171.1
  Top Layer w10: v1(1002,882) 1007,887 1007,931.53 1011.58,936.11 U1.29 ; v1(1577,327) 1607,327 1643.67,290.33 USART3.3
  Power w10: v1(1002,882) 1037,847 1037,661 1202.66,495.34 1205.15,495.34 1373.49,327 v1(1577,327)
USART6-RX: U1.38 USART6.2 | length 1205.2
  Top Layer w10: U1.38 1210.21,1165.79 v1(1221,1155) ; v1(1666,520) 1680,506 1680,454 1694.8,439.2 1713.83,439.2 USART6.2@1733.04,420
  Singal w10: v1(1221,1155) 1333,1043 1333,663.47 1324,654.47 v1(1324,564)
  Power w10: v1(1324,564) 1340,548 1638,548 v1(1666,520)
USART6-TX: U1.37 USART6.3 | length 1392.8
  Top Layer w10: v1(1082,1173) 1091,1173 1117.9,1146.1 U1.37 ; v1(1548,588) 1636.27,588 1710.6,513.67 1721.71,502.56 1721.71,484.31 USART6.3
  Singal w10: v1(1082,1173) 1082.95,1173 1103.64,1152.31 1211,1044.95 v1(1211,568)
  Bottom Layer w10: v1(1211,568) 1286,493 1428.23,493 1523.23,588 v1(1548,588)
USB-DM: R28.1 U1.44 | length 181.7
  Top Layer w10: U1.44 1212.1,1283.9 1249,1247 1249,1223.63 1266.5,1206.13 1266.5,1195.75 1277.25,1185 R28.1
USB-DP: R27.1 U1.45 | length 145.7
  Top Layer w10: U1.45 1227.92,1303.58 1266.5,1265 1266.5,1260.75 1277.25,1250 R27.1
USB-IN: R24.1 U1.41 | length 195.3
  Top Layer w10: U1.41 1225.16,1224.84 1250,1200 1250,1147.25 1277.25,1120 R24.1
USB_D+: R27.2 USB1.A6 USB1.B6 | length 402.6
  Top Layer w10: R27.2 1365.25,1239.25 1369.75,1239.25 1394.55,1214.45 USB1.B6 1635.32,1213.54 1665.64,1213.54 1673.95,1205.23 1673.95,1183.72 1666.22,1175.98 1635.32,1175.98 USB1.A6
USB_D-: R28.2 USB1.A7 USB1.B7 | length 353.6
  Top Layer w10: R28.2 1364.5,1175 1594.87,1175 ; USB1.B7 1604.09,1155.39 1594.87,1164.62 1594.87,1175 ; USB1.A7@1635.32,1193.86 1606.13,1193.86 1605.22,1192.95 1600.72,1192.95 1594.87,1187.09 1594.87,1175
VUSB: D1.1 R24.2 USB1.A4 USB1.A9 USB1.B4 USB1.B9 | length 661.8
  Top Layer w20: D1.1 1356.25,1051.75 1356.25,1118.25 R24.2 1409,1120 1441,1088 USB1.B9@1618.53,1088 ; USB1.B9@1618.53,1089.75 1666.08,1089.75 1699,1122.67 1699,1248.65 1678.95,1268.7 1678.87,1268.7 1665.22,1282.35 USB1.A9@1620,1282.35
pads on no net: CAN1.0 CAN2.0 H1.1 H5.1 H6.1 H7.1 LESER.0 SUPERCAP.0 SWD.0 U5.3 U5.4 U5.5 U5.6 U5.7 U5.8 U5.12 U6.7 U7.2 U7.5 UART1.0 UART4.0 UART5.0 USART3.0 USART6.0 USB1.1 USB1.A5 USB1.A8 USB1.B5 USB1.B8

## Polygon pours and split planes (outlines as drawn)
GND on Top Layer "GND_L01_P005" (solid, remove dead copper, pour order 5): -121,2376 -17,2272 2035,2272 2035,-271 1925,-161 -154,-161
no net on Top Layer "NONET_L01_P-001" (solid, pour order 4): 228,1790
GND on Singal "GND_L02_P006" (solid, remove dead copper, pour order 6): -144,2447 -40,2343 2012,2343 2012,-200 1902,-90 -177,-90
GND on Power "GND_L03_P007" (solid, remove dead copper, pour order 7): -93,2507 11,2403 2063,2403 2063,-140 1953,-30 -126,-30
GND on Bottom Layer "GND_L04_P008" (solid, remove dead copper, pour order 8): -98,2471 6,2367 2058,2367 2058,-176 1948,-66 -131,-66

## Keep-outs
Keep-Out Layer:
  lines w10: 0.01,1926.23 cw(c190.77,1928.23) 188.77,2118.98 1758.24,2118.98 ; 0,1928.23 0,192 ccw(c190.76,190) 188.76,-0.75 ; 188.76,0 1754,0 ccw(c1756,190.76) 1946.75,188.76 ; 1758.24,2117.75 cw(c1756.24,1927) 1947,1925 ; 1946,188.76 1946,1925

## Other copper
Top Layer:
  pour cut-out: 1333,710 1623,710 1623,985 1333,985
  pour cut-out: 1333,710

## Silkscreen, mask and mechanical layers (free items; w line width, h text height)
Top Overlay:
  text "UART1" at 141,2063.52 h50
  text "USART5" at 1671,2048.52 h50
  text "REST" at 44,2006.42 h40
  text "SWD" at 778,1884.52 h50
  text "BOOT0" at 1318,1699.42 h40
  text "I2C1" at 174,1526.52 h50
  text "CAN1" at 203,1436.52 h50
  text "SUPERCAP" at 1691,1390.52 h50
  text "CAN2" at 203,1075.52 h50
  text "LESER" at 1630,954.52 h50
  text "USART6" at 1708.52,681 h50 r270
  text "POWER" at 574,436.52 h50
  text "UART4" at 40,338.52 h50
  text "G" at 1393,310.52 h50
  text "5V" at 1390,276.52 h50
  text "TIMER" at 1389,241 h50
  text "D-BUS" at 85,232.52 h50
  text "USART3" at 1669,194.56 h50
Bottom Overlay:
  lines w10: 1428,1499 1488,1559 ; 1439,1510 1538,1510 ; 1488,1510.5 1488,1559 ; 1549,1499 1489,1559 1488,1559
  text "3V3" at 469.76,2027.9 h50
  text "T" at 554,2028 h50
  text "R" at 600,2028 h50
  text "G" at 516,2027.44 h50
  text "G" at 1520,1952.52 h50
  text "T" at 1420,1952 h50
  text "R" at 1465,1951 h50
  text "SDA" at 162,1908.52 h50
  text "SCL" at 158,1811.52 h50
  text "5V" at 135,1709.52 h50
  text "GND" at 170,1610.52 h50
  text "F4V1.6.0" at 1022,877 h60
  text "By bilibili 风的旅者-李" at 1030.24,825.47 h50
  text "+" at 1768.83,822 h50 r270
  text "-" at 1775.39,776 h50 r270
  text "2022-2-22" at 945.28,774 h50
  text "GND" at 683,640.42 h40
  text "5V" at 1253,635.42 h40
  text "TIM3-CH4" at 845.56,516.91 h40 r90
  text "TIM3-CH3" at 940.56,516.91 h40 r90
  text "TIM8-CH4" at 1040.58,516.91 h40 r90
  text "TIM8-CH3" at 1145.56,516.91 h40 r90
  text "TIM12-CH2" at 1245.58,516.91 h40 r90
  text "TIM12-CH1" at 1345.58,516.91 h40 r90
  text "T" at 1857,494 h50 r90
  text "R" at 1857,441 h50 r90
  text "G" at 1857.56,394 h50 r90
  text "R" at 1610,77 h50
  text "T" at 1663,77 h50
  text "G" at 1563,76.44 h50
Mechanical 1:
  lines w10: 0,184 0,1937 ; 0,186 ccw(c186,186) 186,0 ; 0,1933 cw(c186,1933) 186,2119 ; 188.76,0 1754,0 ; 188.76,2119 1758.24,2119 ; 1755,0 ccw(c1755,186) 1941,186 ; 1755,2119 cw(c1755,1933) 1941,1933 1941,180

## Text inside footprints (layer, text, board x,y; h text height)
POWER: Top Overlay "+" at 554.64,406.06 h60 r270